# Altium PCB AQM with ESP32-S3.PcbDoc
Units mil, origin at the board's own origin, x right, y up, seen from the top; angles counter-clockwise.
Board outline 2440 x 2455 mil, 4 copper layers (Top Layer, Layer 1 - GND, Layer 2 - Power, Bottom Layer), stack 23.756 mil thick; 81 components, 69 nets, 329 pads, 41 vias.
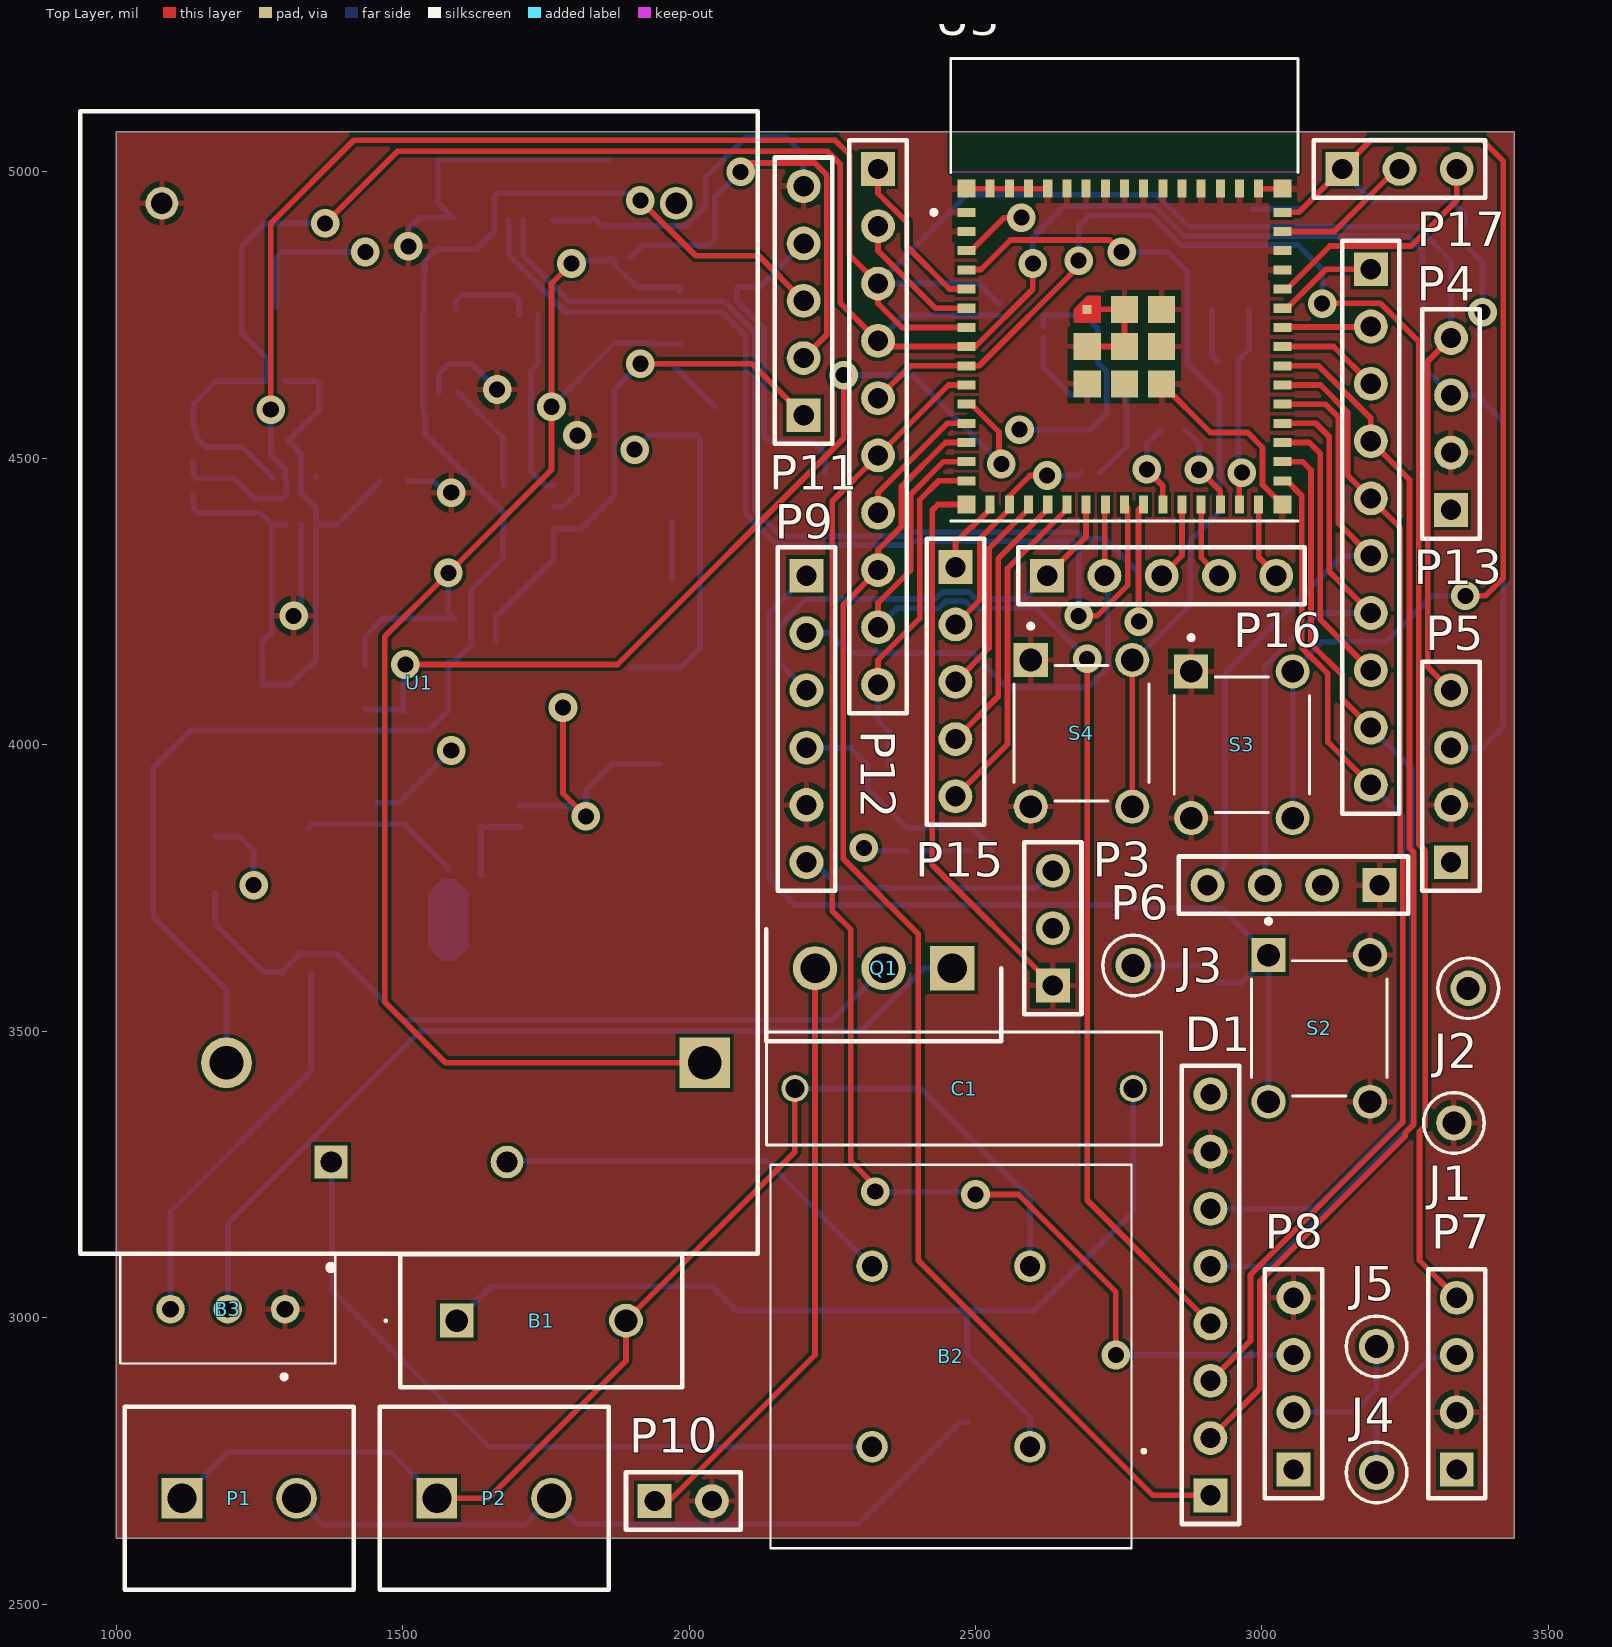
[diagram p0: Top Layer view]
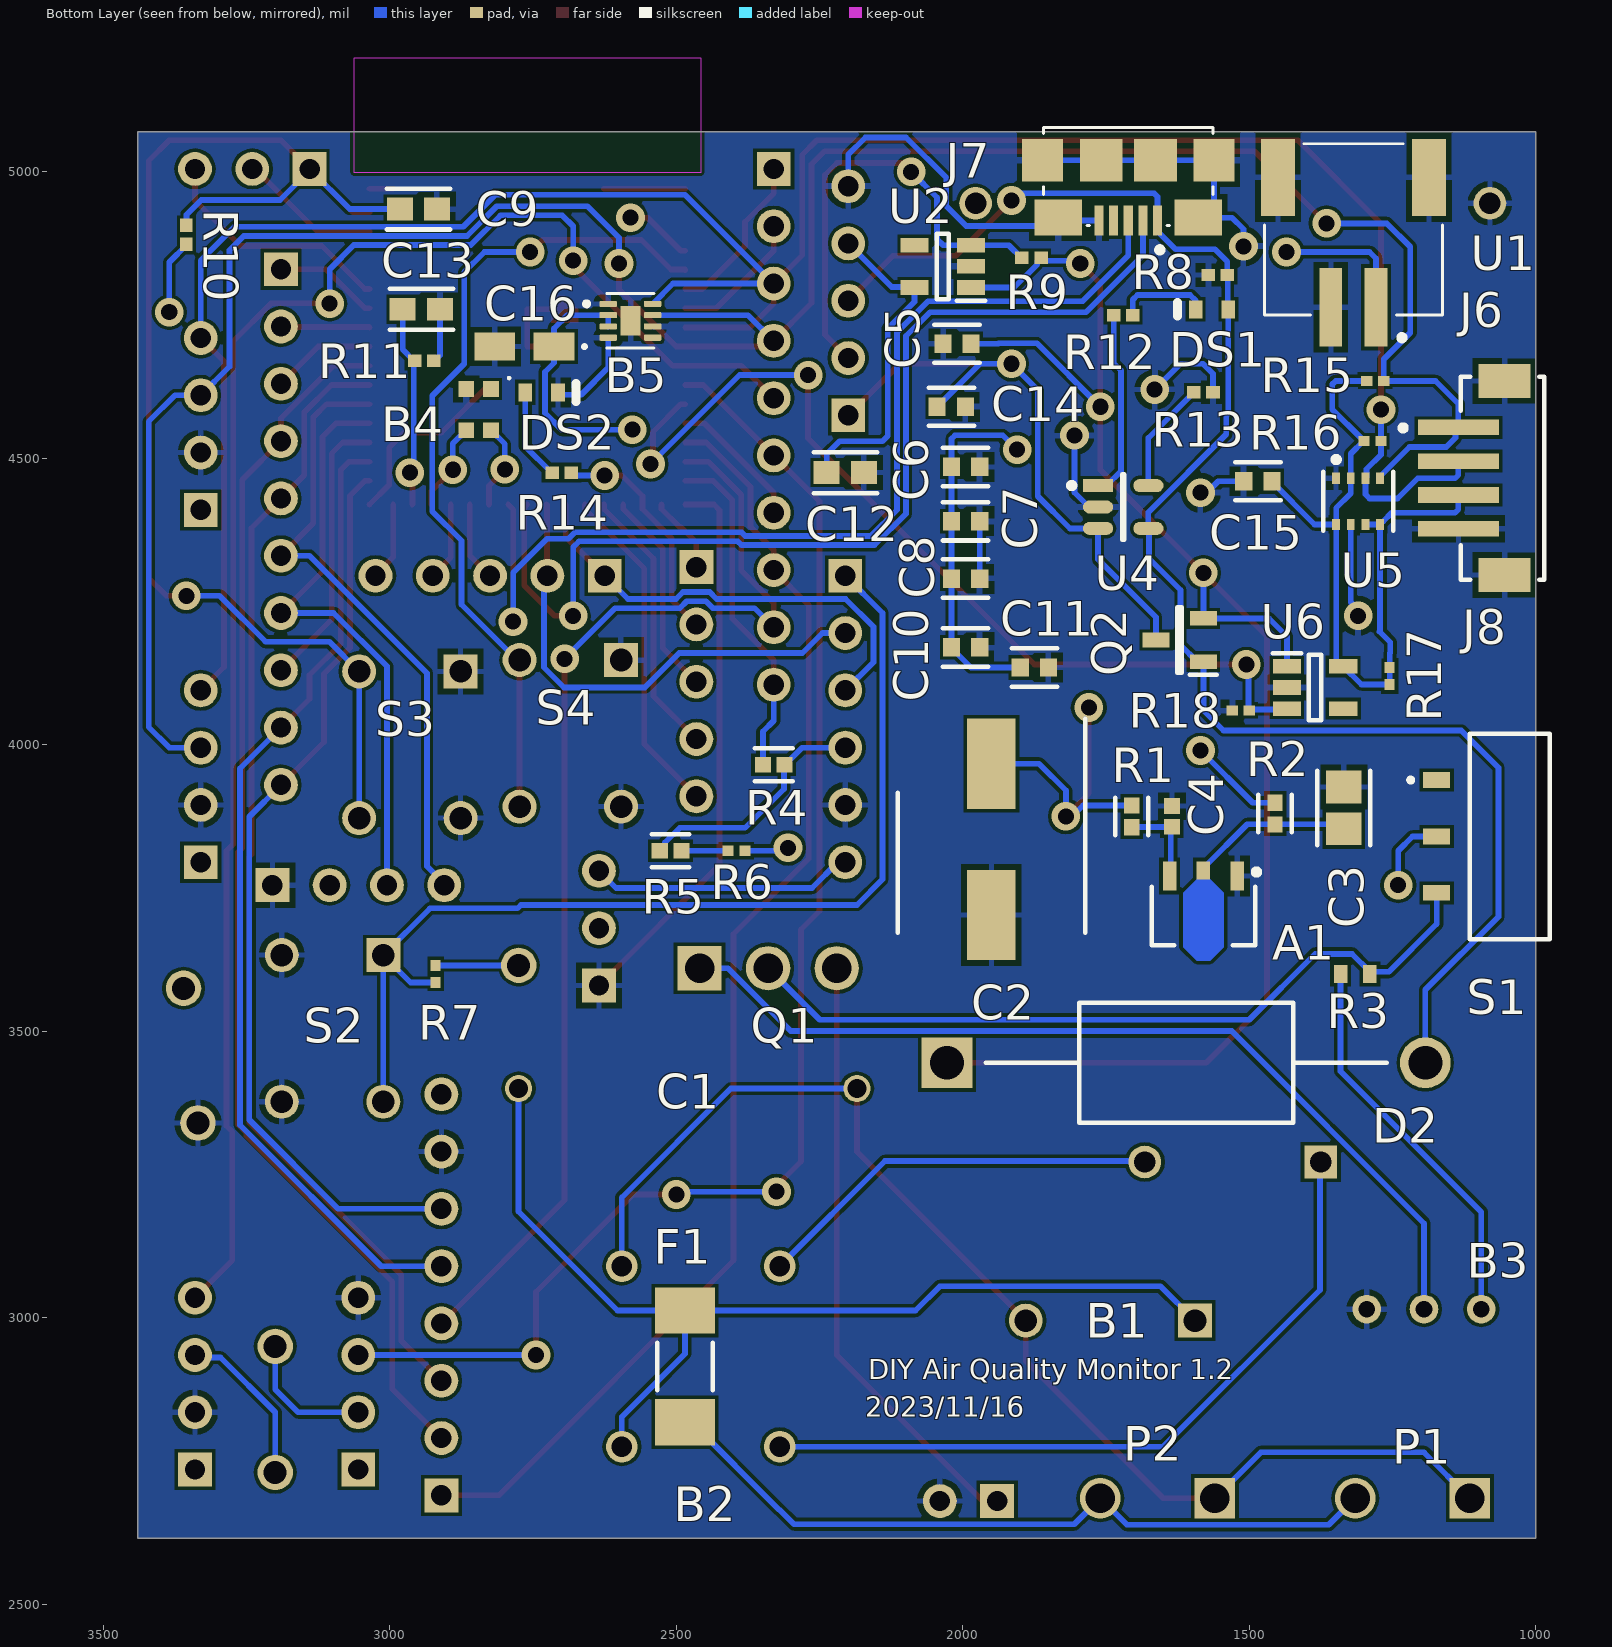
[diagram p1: Bottom Layer view, seen from below]
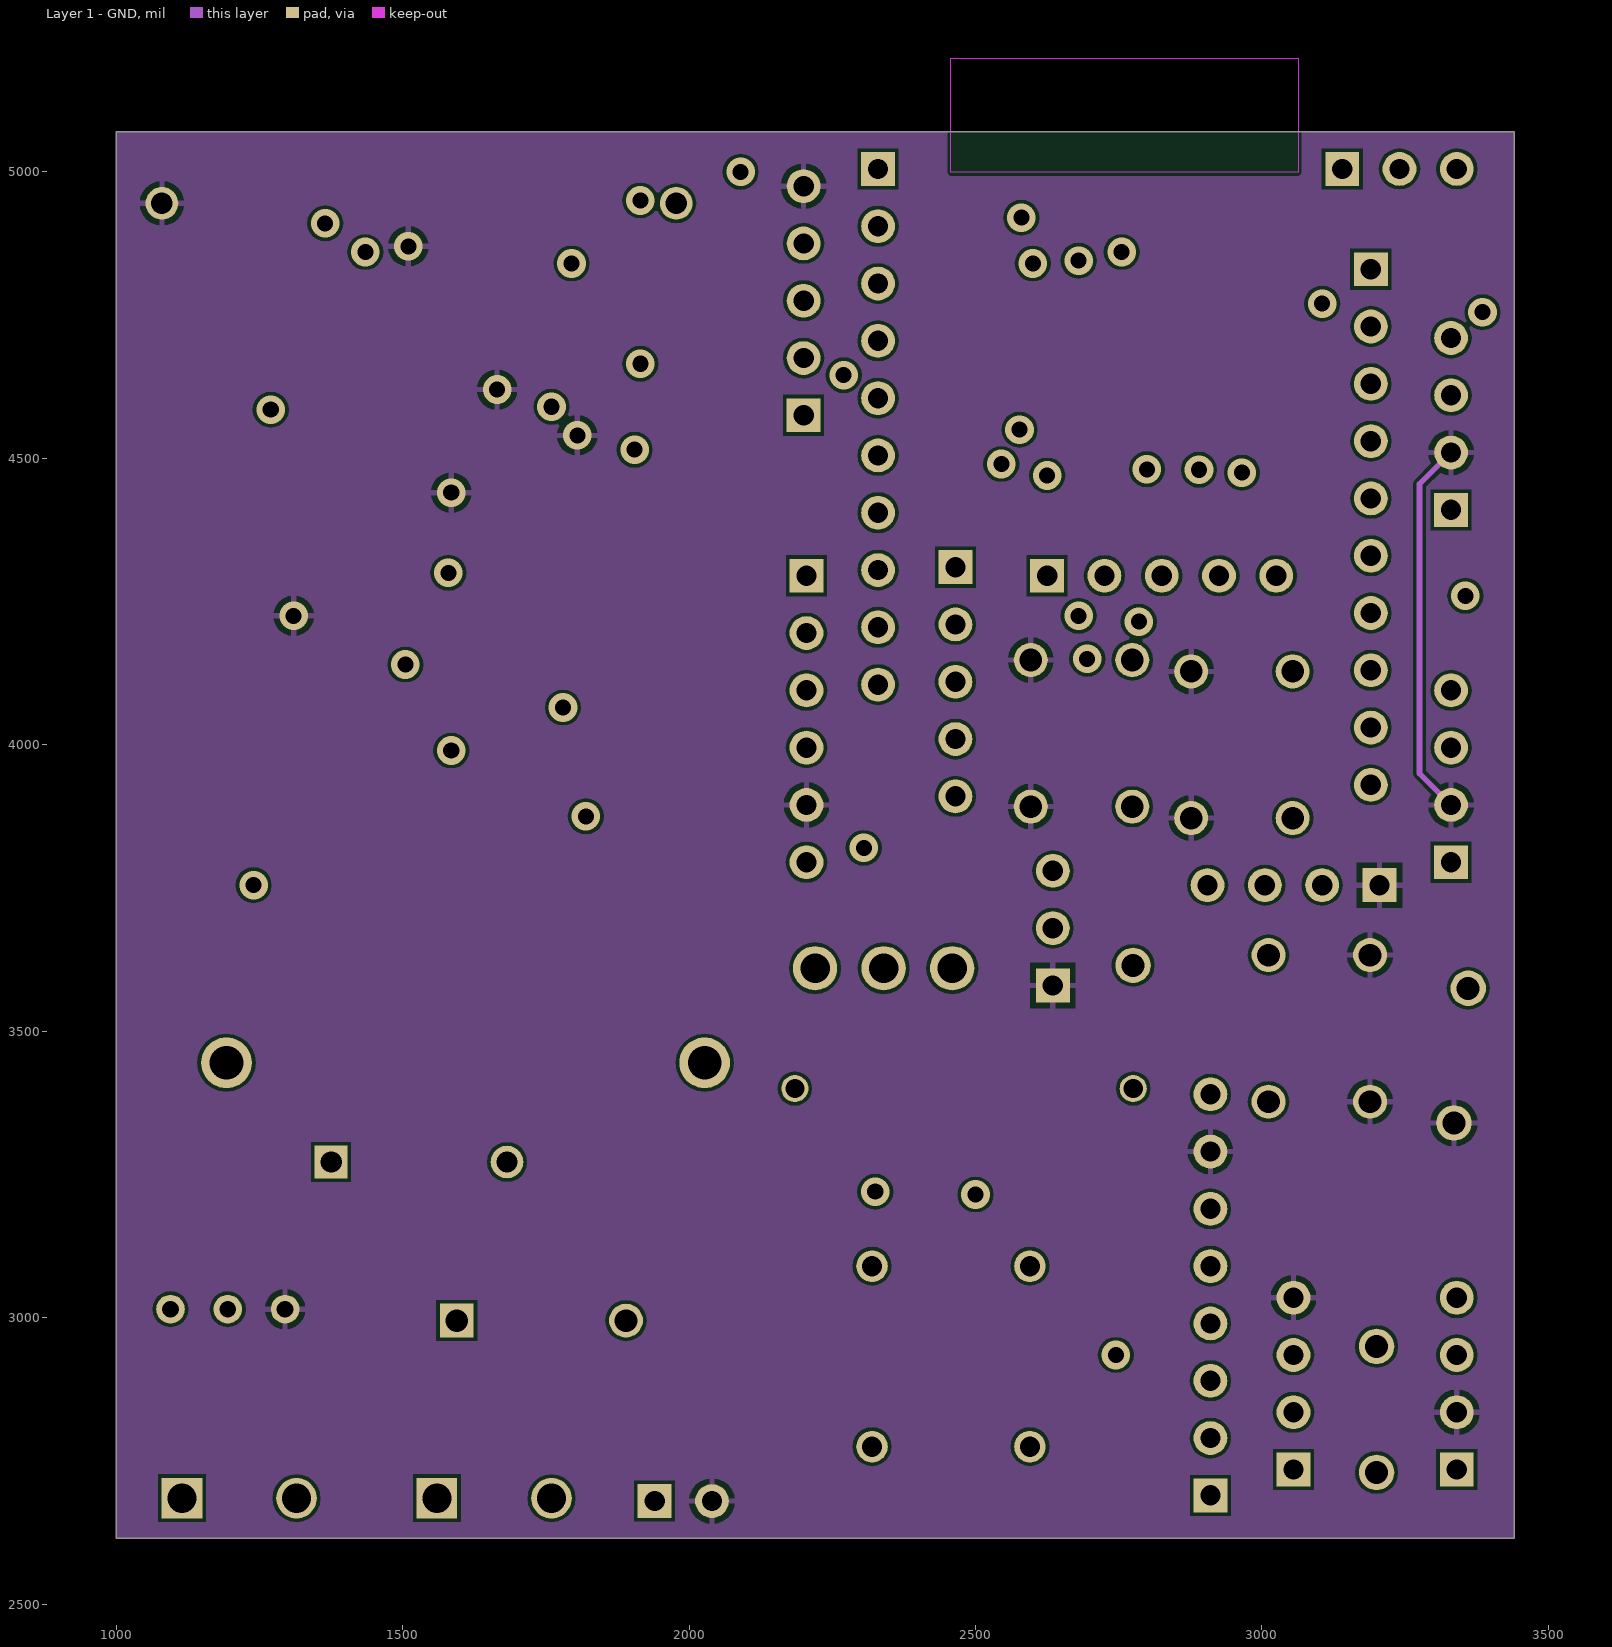
[diagram p2: Layer 1 - GND]
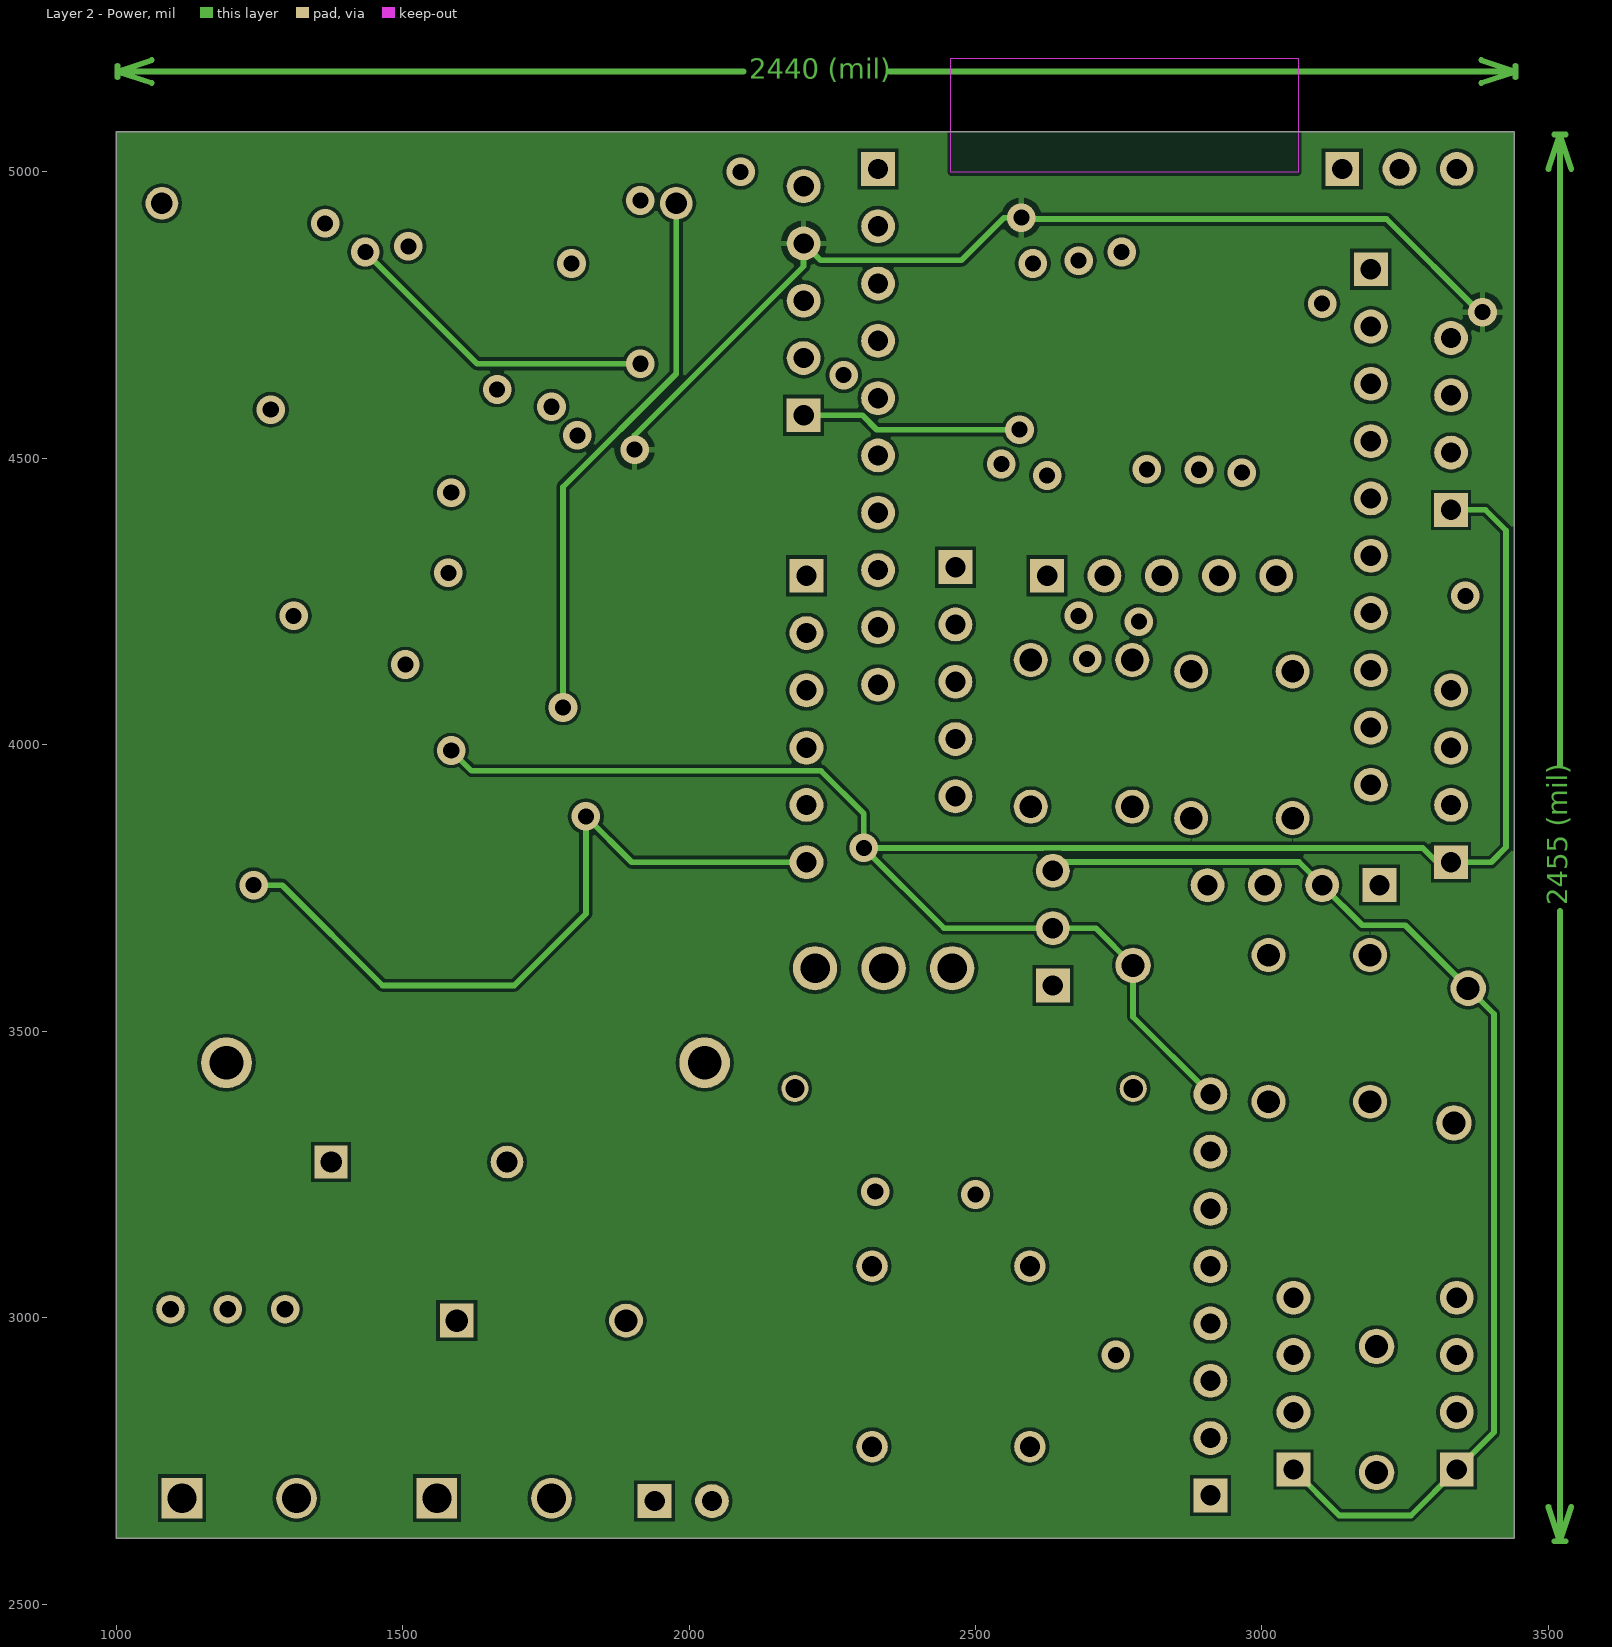
[diagram p3: Layer 2 - Power]
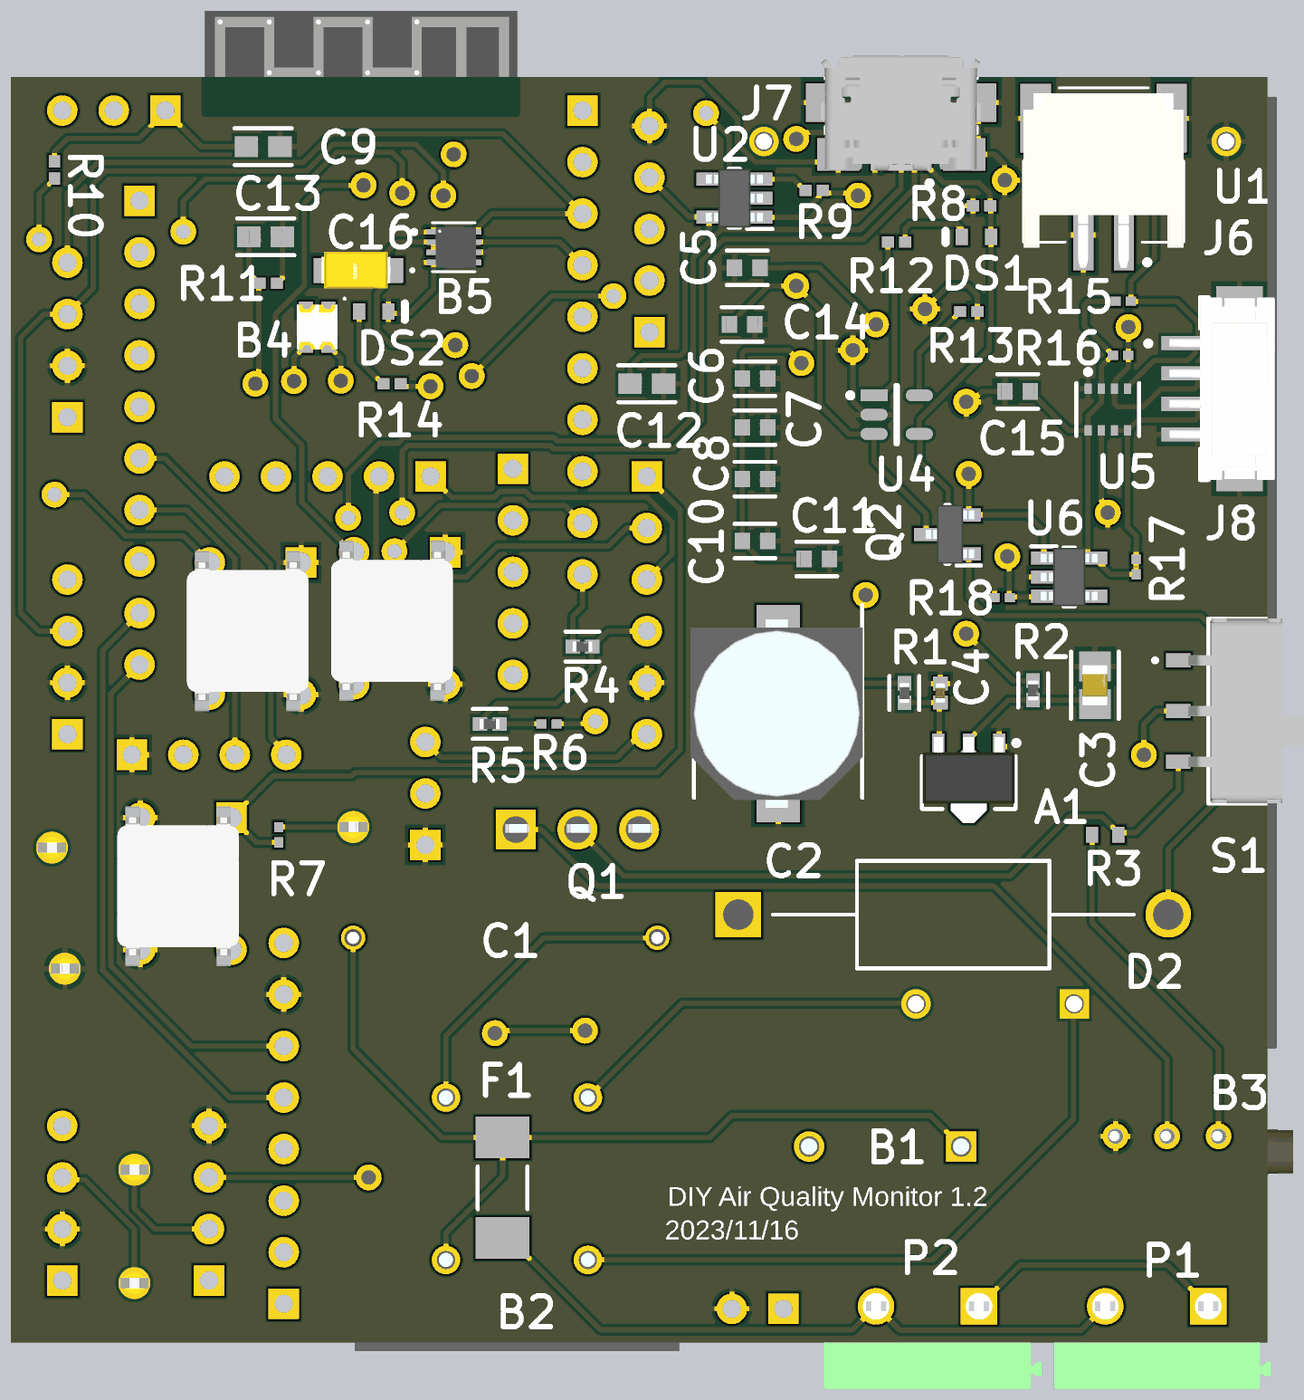
[diagram p4: 3D render of the assembled board from below, using the file's embedded part models]

## Layer stack, top to bottom
Top Solder: solder mask 0.4, Solder Resist, Dk 3.5
Top Layer: signal copper 1.4
Dielectric 2: prepreg 2.8, PP-006, Dk 4.1
Layer 1 - GND: signal copper 1.378
Dielectric 1: dielectric 12.6, FR-4, Dk 4.8
Layer 2 - Power: signal copper 1.378
Dielectric 3: prepreg 2.8, PP-006, Dk 4.1
Bottom Layer: signal copper 1.4
Bottom Solder: solder mask 0.4, Solder Resist, Dk 3.5

## Board outline
1000,2615 3440,2615 3440,5070 1000,5070

## Design rules (kind name [scope] priority, off if disabled: settings)
Clearance [All] p1: gap=5.98 ignorepadtopadclearanceinfootprint=FALSE
MinimumSolderMaskSliver [All] p1: minsoldermaskwidth=0.98
PolygonConnect [All] p1: connectstyle=Relief reliefconductorwidth=10 reliefentries=4 polygonreliefangle="90 Angle" airgapwidth=10
RoutingVias [All] p1: holewidth=28 width=50 viastyle="Through Hole" minholewidth=28 minwidth=50 maxholewidth=28 maxwidth=50
SilkToSilkClearance [All] p1: silktosilkclearance=1
SilkToSolderMaskClearance [IsPad] p1: minsilkscreentomaskgap=5 clearancetoexposedcopper=TRUE
SolderMaskExpansion [All] p1: expansion=4
Width [All] p1: maxlimit=12.01 minlimit=5.98 preferedwidth=10
27 further rules are at their usual default settings.

## Classes and differential pairs
component class "ESP32-S3 module": B4 B5 C5 C6 C7 C8 C9 C10 C11 C12 C13 C14 C15 C16 D2 DS1 DS2 J6 J7 J8 P11 P12 P13 P15 P16 P17 Q2 R8 R9 R10 R11 R12 R13 R14 R15 R16 R17 R18 S3 S4 U2 U3 U4 U5 U6
component class "AQM with esp32": A1 B1 B2 B3 C1 C2 C3 C4 D1 F1 J1 J2 J3 J4 J5 P1 P2 P3 P4 P5 P6 P7 P8 P9 P10 Q1 R1 R2 R3 R4 R5 R6 R7 S1 S2 U1

## Components (designator, comment, footprint, x,y, rotation, side; value= is the part's Value field where it differs from the comment)
A1 "IC1" SOT89-150P350X150-3N 1580,3710 r270 bottom
B1 "10D561K" 10D561K 1594.72,2995 r0 top
B2 "UU9.8Y-10MH" UU98Y10MH 2595,2775 r0 top
B3 "3296X-1-103" 3296X1223LF 1195,3015 r90 top
B4 "WS2812B-2020" WS2812B2020 2845,4585 r90 bottom
B5 "MAX17048G+T10" MAX17048G+T10 2580,4740 r180 bottom
C1 "0.1uF" MPX-104K275VAC-C-D2 2480,3400 r180 top
C2 "220uF" CAPAE830X1050N 1950,3835 r270 bottom
C3 "22uF" FP-GRM219-0_2-0_15-IPC_A 1335,3890 r90 bottom
C4 "10uF" CL05A106MQ5NUNC 1635,3875 r270 bottom
C5 "10uF" FP-CL10-IPC_C 2010,4700 r0 bottom
C6 "10uF" FP-CL10-IPC_C 1995,4485 r180 bottom
C7 "10uF" FP-CL10-IPC_C 1995,4390 r180 bottom
C8 "10uF" FP-CL10-IPC_C 1995,4290 r180 bottom
C9 "1uF" FP-CL10-IPC_A 2950,4935 r0 bottom
C10 "10uF" FP-CL10-IPC_C 1995,4170 r180 bottom
C11 "10uF" FP-CL10-IPC_C 1875,4135 r180 bottom
C12 "1uF" FP-CL10-IPC_A 2205,4475 r180 bottom
C13 "1uF" FP-CL10-IPC_A 2945,4760 r180 bottom
C14 "10uF" FP-CL10-IPC_C 2020,4590 r180 bottom
C15 "10uF" FP-CL10-IPC_C 1485,4460 r0 bottom
C16 "100nF" T491A 2765,4695 r0 bottom
D1 "E-paper Display" HDR1X8 2910,2690 r90 top
D2 "MBR540" MBR540-DO-201AD 1610,3445 r180 bottom
DS1 "TLMO1100-GS08" VISH-TLMX1100-2_V 1565,4760 r0 bottom
DS2 "TLMS1000-GS08" VISH-TLMS1000_V 2735,4615 r180 bottom
F1 "S6125-M2-0.5A" CAPC6125X25N 2485,2915 r90 bottom
J1 "5004" FP-5004-MFG 3335,3340 r0 top
J2 "5004" FP-5004-MFG 3360,3575 r0 top
J3 "5004" FP-5004-MFG 2775,3615 r0 top
J4 "5004" FP-5004-MFG 3200,2730 r0 top
J5 "5004" FP-5004-MFG 3200,2950 r0 top
J6 "S2B-PH-SM4-TB(LF)(SN)" JST_S2B-PH-SM4-TB(LF)(SN) 1318.11,4763.62 r0 bottom
J7 "10118192-0001LF" AMPHENOL_10118192-0001LF 1711.18,4915 r0 bottom
J8 "B4B-ZR-SM4-TF (LF)(SN)" FP-B4B-ZR-SM4-TF_LF_SN-MFG 1058.23,4465.47 r270 bottom
P1 "AC suppy" PHOE-1729128-2_V 1215,2685 r0 top
P2 "uv lamp" PHOE-1729128-2_V 1660,2685 r0 top
P3 "Header 3" HDR1X3 2635,3580 r90 top
P4 "Hum/Tem Sensor" HDR1X4 3330,4410 r90 top
P5 "CO2/VOC sensor" HDR1X4 3330,3795 r90 top
P6 "CH2O sensor" HDR1X4 3205,3755 r180 top
P7 "CO sensor" HDR1X4 3340,2735 r90 top
P8 "O3 sensor" HDR1X4 3055,2735 r90 top
P9 "PMS5003" HDR1X6 2205,4295 r270 top
P10 "5V FAN" HDR1X2 1940,2680 r0 top
P11 "Header 5" HDR1X5 2200,4575 r90 top
P12 "Header 10" HDR1X10 2330,5005 r270 top
P13 "Header 10" HDR1X10 3190,4830 r270 top
P15 "Header 5" HDR1X5 2465,4310 r270 top
P16 "Header 5" HDR1X5 2625,4295 r0 top
P17 "Header 3" HDR1X3 3140,5005 r0 top
Q1 "2SD313" TO304P498X1010X2089-3P 2459.37,3610 r180 top
Q2 "DMG3415U-7" SOT96P240X120-3N 1621.34,4182.8 r0 bottom
R1 "0R" FP-RC0402-0_4-IPC_A 1705,3875 r90 bottom
R2 "0R" FP-RC0402-0_4-IPC_A 1455,3880 r270 bottom
R3 "470Ω" RESC1608X55X25LL10T15 1315,3600 r180 bottom value=470O
R4 "0R" FP-RC0402-0_4-IPC_A 2330,3965 r180 bottom
R5 "0R" FP-RC0402-0_4-IPC_A 2510,3815 r180 bottom
R6 "10kΩ" RESC1005X40X25LL05T10 2395,3815 r0 bottom value=10kO
R7 "10kΩ" RESC1005X40X25LL05T10 2920,3600 r270 bottom value=10kO
R8 "100kΩ" RESC1005X40X25NL05T10 1555,4820 r180 bottom value=100kO
R9 "100kΩ" RESC1005X40X25NL05T10 1880,4850 r0 bottom value=100kO
R10 "5.1kΩ" RESC1005X40X25NL05T10 3355,4890 r270 bottom value=5.1kO
R11 "1MΩ" RESC1005X40X25NL05T10 2940,4670 r0 bottom value=1MO
R12 "5.1kΩ" RESC1005X40X25NL05T10 1720,4750 r180 bottom value=5.1kO
R13 "5.1kΩ" RESC1005X40X25NL05T10 1580,4615 r0 bottom value=5.1kO
R14 "5.1kΩ" RESC1005X40X25NL05T10 2700,4475 r180 bottom value=5.1kO
R15 "10kΩ" RESC1005X40X25LL05T10 1280,4635 r180 bottom value=10kO
R16 "10kΩ" RESC1005X40X25LL05T10 1285,4530 r180 bottom value=10kO
R17 "10kΩ" RESC1005X40X25LL05T10 1255,4120 r90 bottom value=10kO
R18 "10kΩ" RESC1005X40X25LL05T10 1515,4060 r180 bottom value=10kO
S1 "Switch" SK3245SL1A 1045,3840 r270 bottom
S2 "TL1105AF160Q" TL1105AF160Q 3100,3505 r270 top
S3 "TL1105AF160Q" TL1105AF160Q 2965,4000 r270 top
S4 "TL1105AF160Q" TL1105AF160Q 2685,4020 r270 top
U1 "HLK-10M05" FP-HLK-10M05-MFG 1528.82,4108.39 r90 top
U2 "RT9080-33GJ5" SOT94P280X100-5N 2035,4835 r0 bottom
U3 "ESP32-S3-MINI-1-N8" XCVR_ESP32-S3-MINI-1-N8 2759.96,4694.96 r0 top
U4 "MCP73831T-2ACI/OT" FP-C04-091-OT-IPC_B 1720,4415 r180 bottom
U5 "BME280" FP-BME280-MFG 1310,4425 r90 bottom
U6 "RT9080-33GJ5" SOT94P280X100-5N 1385,4100 r180 bottom
